# KiCad board S100-Backplane.kicad_pcb (continued)
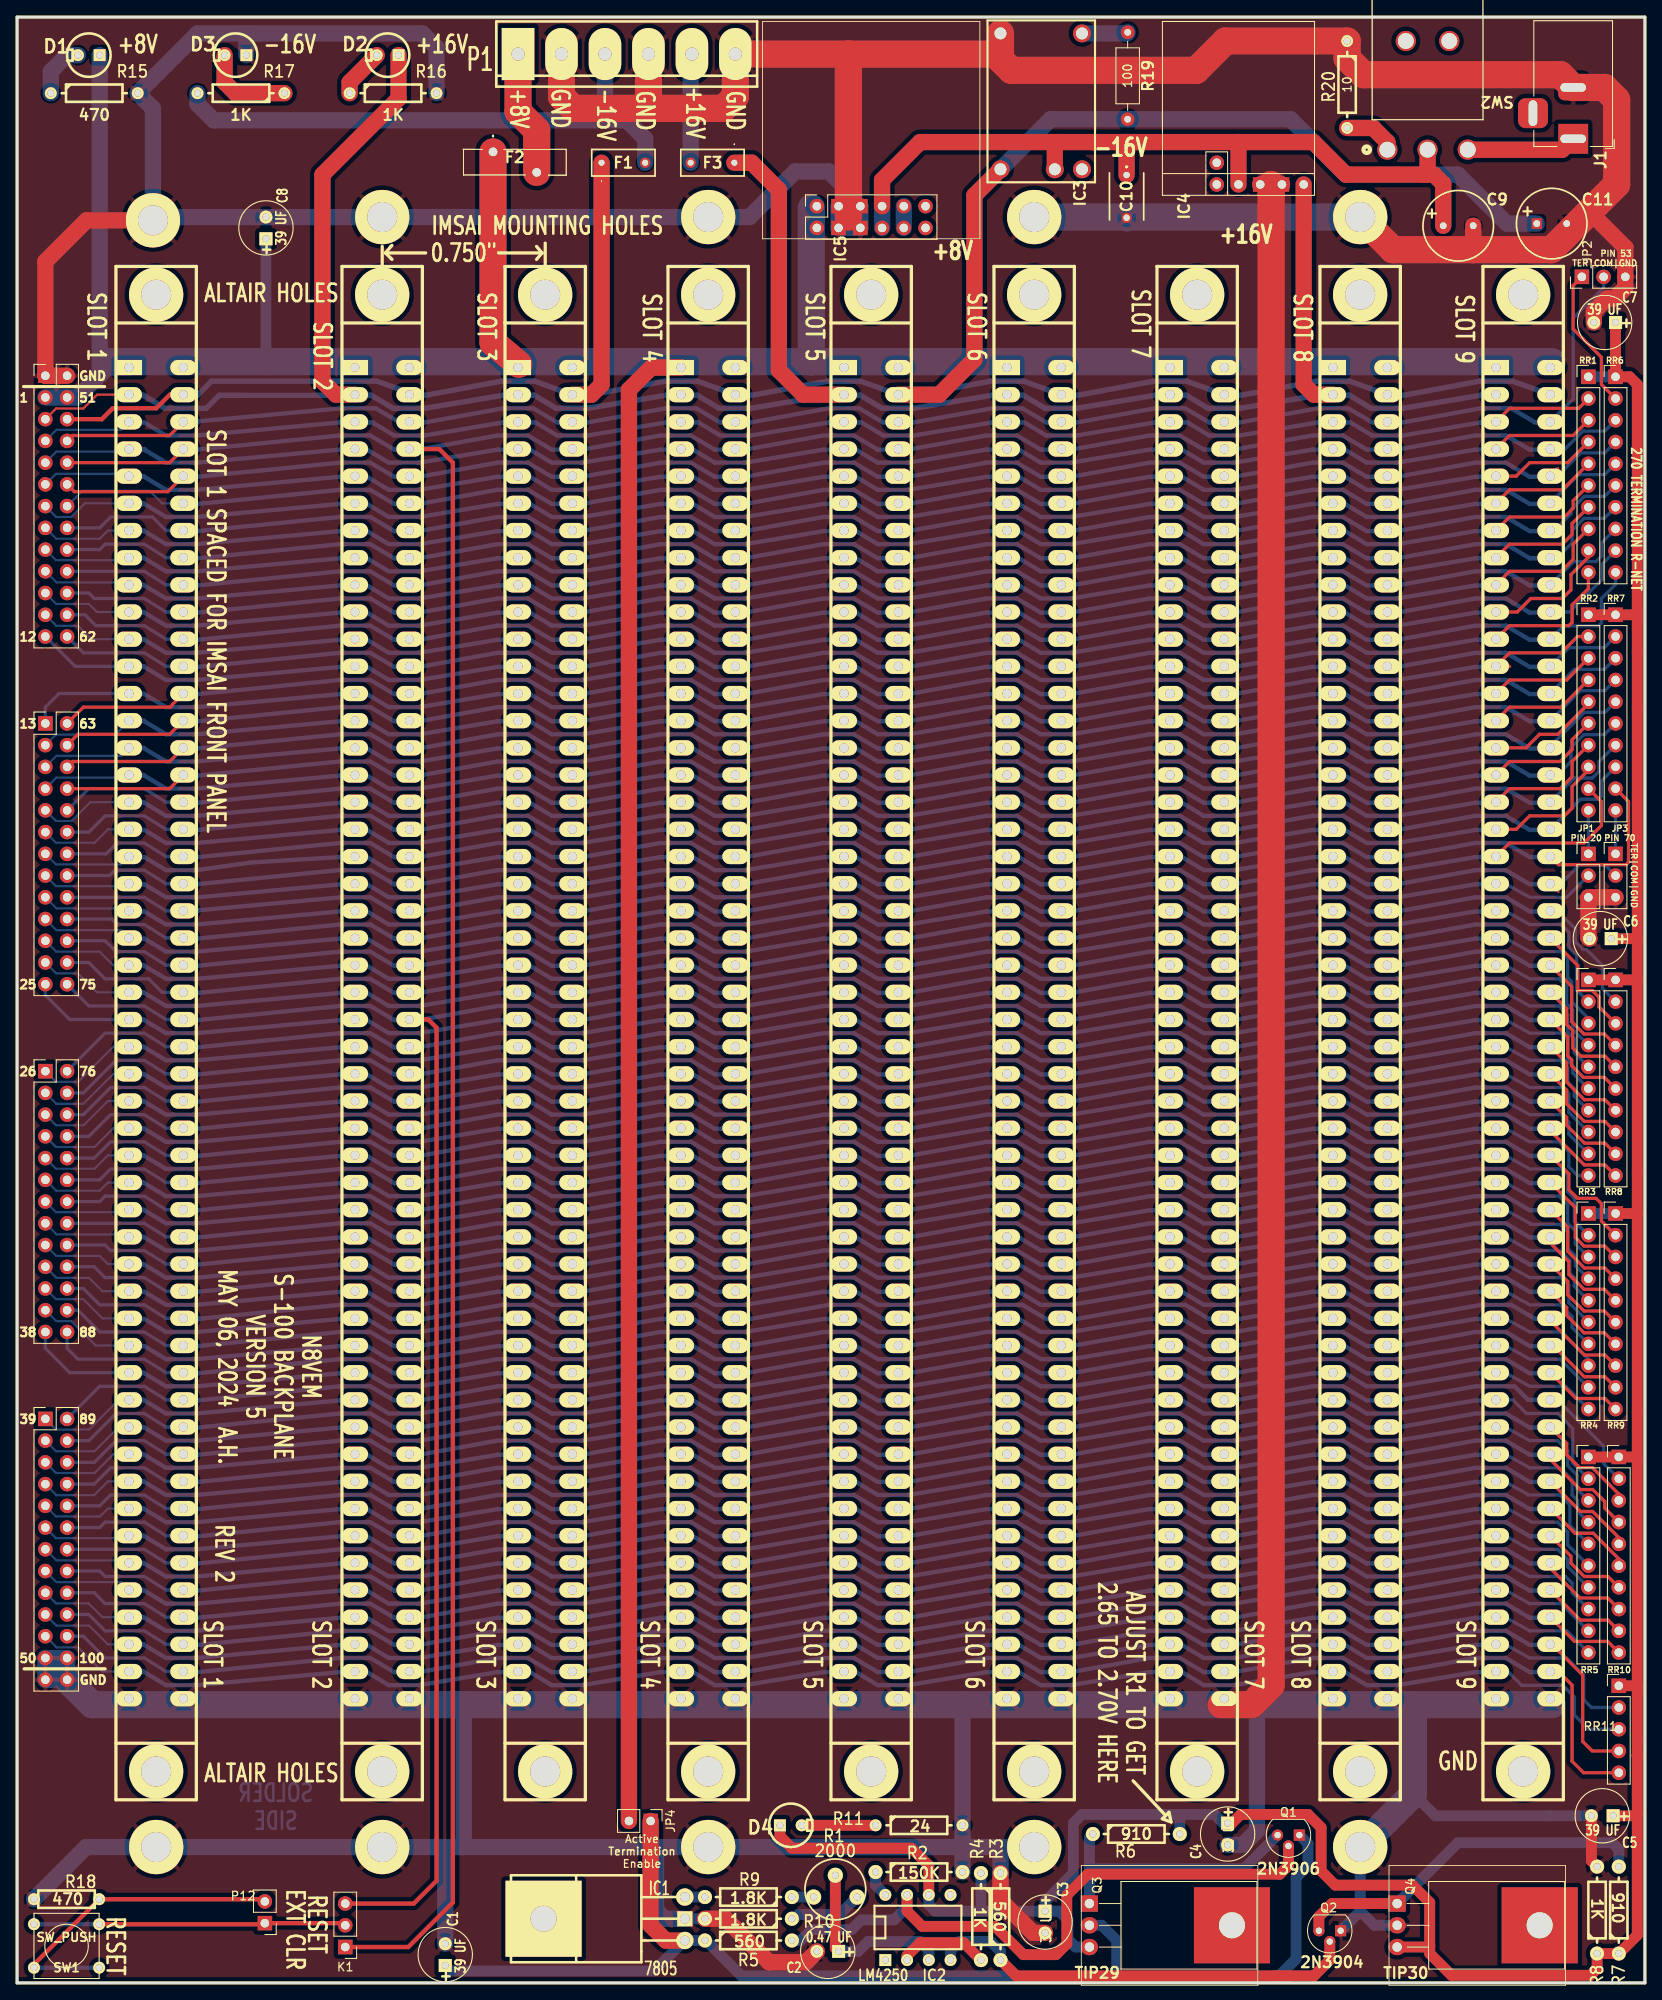
[diagram p0: board, top side]
## Routing (per net, layer and track width the routed paths; a pad name or vN(x,y) marks a point on that pad's centre or on a via; arc(x,y) is an arc through that point) (continued)
/pin_63: length 192.7
  Component w0.381: 179.96,150.75 179.2,150.75 U39.63 ; U31.63 18.14,149.41 18.14,149.33 17.91,149.1 7.75,149.1 P3.2
  Copper w0.381: RR7.3 185.52,153.51 182.01,153.51 U39.63
  Copper w0.508: 178.56,150.69 178.56,150.62 176.78,150.62 173.99,152.27 170.43,152.27 161.29,150.62 159.39,150.62 159.51,150.69 159.51,150.62 157.73,150.62 154.94,152.27 151.38,152.27 142.24,150.62 140.34,150.62 140.46,150.69 140.46,150.62 138.68,150.62 135.89,152.27 132.33,152.27 123.19,150.62 121.28,150.62 121.41,150.69 121.41,150.62 119.63,150.62 116.84,152.27 113.28,152.27 104.14,150.62 102.24,150.62 102.36,150.69 102.36,150.62 100.58,150.62 97.79,152.27 94.23,152.27 85.09,150.62 83.19,150.62 83.31,150.69 83.31,150.62 81.53,150.62 78.74,152.27 75.18,152.27 66.04,150.62 64.14,150.62 64.26,150.69 64.26,150.62 62.48,150.62 59.69,152.27 56.13,152.27 46.99,150.62 45.09,150.62 45.21,150.69 ; U32.63 45.85,150.62 44.07,150.62 41.28,152.27 37.72,152.27 21.08,150.62 19.05,150.62 19.17,150.69
/pin_64: length 192
  Component w0.381: 179.13,147.7 179.13,147.57 U39.64 ; U31.64 17.83,145.92 7.11,145.92 P3.4
  Copper w0.381: U39.64 182.71,151.03 185.58,151.03 RR7.4
  Copper w0.508: 178.56,147.52 178.56,147.45 176.78,147.45 173.99,149.1 170.43,149.1 161.29,147.45 159.39,147.45 159.51,147.52 159.51,147.45 157.73,147.45 154.94,149.1 151.38,149.1 142.24,147.45 140.34,147.45 140.46,147.52 140.46,147.45 138.68,147.45 135.89,149.1 132.33,149.1 123.19,147.45 121.28,147.45 121.41,147.52 121.41,147.45 119.63,147.45 116.84,149.1 113.28,149.1 104.14,147.45 102.24,147.45 102.36,147.52 102.36,147.45 100.58,147.45 97.79,149.1 94.23,149.1 85.09,147.45 83.19,147.45 83.31,147.52 83.31,147.45 81.53,147.45 78.74,149.1 75.18,149.1 66.04,147.45 64.14,147.45 64.26,147.52 64.26,147.45 62.48,147.45 59.69,149.1 56.13,149.1 46.99,147.45 45.09,147.45 45.21,147.52 ; U32.64 45.85,147.45 44.07,147.45 41.28,149.1 37.72,149.1 21.08,147.45 19.05,147.45 19.17,147.52
/pin_65: length 192
  Component w0.381: 179.13,144.34 U39.65 ; U31.65 17.83,142.75 6.48,142.75 P3.6
  Copper w0.381: U39.65 179.19,144.52 183.16,148.49 185.58,148.49 RR7.5
  Copper w0.508: 178.56,144.34 178.56,144.27 176.78,144.27 173.99,145.92 170.43,145.92 161.29,144.27 159.39,144.27 159.51,144.34 159.51,144.27 157.73,144.27 154.94,145.92 151.38,145.92 142.24,144.27 140.34,144.27 140.46,144.34 140.46,144.27 138.68,144.27 135.89,145.92 132.33,145.92 123.19,144.27 121.28,144.27 121.41,144.34 121.41,144.27 119.63,144.27 116.84,145.92 113.28,145.92 104.14,144.27 102.24,144.27 102.36,144.34 102.36,144.27 100.58,144.27 97.79,145.92 94.23,145.92 85.09,144.27 83.19,144.27 83.31,144.34 83.31,144.27 81.53,144.27 78.74,145.92 75.18,145.92 66.04,144.27 64.14,144.27 64.26,144.34 64.26,144.27 62.48,144.27 59.69,145.92 56.13,145.92 46.99,144.27 45.09,144.27 45.21,144.34 ; U32.65 45.85,144.27 44.07,144.27 41.28,145.92 37.72,145.92 21.08,144.27 19.05,144.27 19.17,144.34
/pin_66: length 192.8
  Component w0.381: P3.8 17.83,139.57 U31.66
  Component w0.508: 179.2,141.1 U39.66
  Copper w0.25: 159.39,141.1 159.51,141.17 159.51,141.1 ; 178.56,141.1 178.56,141.17 ; 140.34,141.1 140.46,141.17 140.46,141.1 ; 121.28,141.1 121.41,141.17 121.41,141.1 ; 102.24,141.1 102.36,141.17 102.36,141.1 ; 83.19,141.1 83.31,141.17 83.31,141.1 ; 64.14,141.1 64.26,141.17 64.26,141.1 ; 45.21,141.17 45.09,141.1 ; 45.85,141.1 U32.66 ; 19.17,141.17 19.05,141.1 21.08,141.1
  Copper w0.381: 161.29,141.1 159.39,141.1 ; RR7.6 185.52,145.89 183.13,145.89 181.61,144.38 181.61,142.75 180.03,141.17 U39.66
  Copper w0.508: 161.29,141.1 170.43,142.75 173.99,142.75 176.78,141.1 178.56,141.1 ; 159.51,141.1 157.73,141.1 154.94,142.75 151.38,142.75 142.24,141.1 140.34,141.1 ; 121.28,141.1 123.19,141.1 132.33,142.75 135.89,142.75 138.68,141.1 140.46,141.1 ; 121.41,141.1 119.63,141.1 116.84,142.75 113.28,142.75 104.14,141.1 102.24,141.1 ; 83.19,141.1 85.09,141.1 94.23,142.75 97.79,142.75 100.58,141.1 102.36,141.1 ; 83.31,141.1 81.53,141.1 78.74,142.75 75.18,142.75 66.04,141.1 64.14,141.1 ; 45.09,141.1 46.99,141.1 56.13,142.75 59.69,142.75 62.48,141.1 64.26,141.1 ; 45.85,141.1 44.07,141.1 41.28,142.75 37.72,142.75 21.08,141.1
/PINTE: length 191.2
  Copper w0.25: U31.28 10.61,103.07 7.78,100.23 4.54,100.23 P4.5
  Copper w0.381: 173.54,103.07 U39.28 173.93,103.06 176.78,101.47 180.47,101.47 181.36,100.58 181.36,99.19 RR3.9
  Copper w0.508: 153.16,103 155.19,103 157.73,101.47 161.29,101.47 170.43,103 172.21,103 172.21,103.07 ; 153.16,103 153.16,103.07 153.16,103 ; 153.16,103 151.38,103 142.24,101.47 138.68,101.47 136.14,103 134.11,103 ; 134.11,103 134.11,103.07 134.11,103 ; 134.11,103 132.33,103 123.19,101.47 119.63,101.47 117.09,103 115.06,103 ; 115.06,103 115.06,103.07 115.06,103 ; 115.06,103 113.28,103 104.14,101.47 100.58,101.47 98.04,103 96.01,103 ; 96.01,103 96.01,103.07 96.01,103 ; 96.01,103 94.23,103 85.09,101.47 81.53,101.47 78.99,103 76.96,103 ; 76.96,103 76.96,103.07 76.96,103 ; 76.96,103 75.18,103 66.04,101.47 62.48,101.47 59.94,103 57.91,103 ; 57.91,103 57.91,103.07 57.91,103 ; 57.91,103 56.13,103 46.99,101.47 43.43,101.47 40.89,103 38.86,103 38.86,103.07 ; U32.28 39.5,103 37.72,103 20.96,101.47 17.4,101.47 14.86,103 14.79,103.07 U31.28
/PRDY: length 196.7
  Component w0.381: 179.19,121.48 U39.72 182.4,118.91 182.4,115.98 184.1,115.98 184.88,115.19 184.88,114.08 RR8.3
  Copper w0.381: 179.32,122.17 U39.72 ; 17.4,122.12 14.86,123.7 11.68,123.7 11.05,124.33 P3.20 ; 17.4,122.12 U31.72 ; 17.4,122.12 17.46,122.12
  Copper w0.508: 178.56,122.12 178.56,122.05 176.78,122.05 173.99,123.7 170.43,123.7 161.29,122.05 159.39,122.05 159.51,122.12 159.51,122.05 157.73,122.05 154.94,123.7 151.38,123.7 142.24,122.05 140.34,122.05 140.46,122.12 140.46,122.05 138.68,122.05 135.89,123.7 132.33,123.7 123.19,122.05 121.28,122.05 121.41,122.12 121.41,122.05 119.63,122.05 116.84,123.7 113.28,123.7 104.14,122.05 102.24,122.05 102.36,122.12 102.36,122.05 100.58,122.05 97.79,123.7 94.23,123.7 85.09,122.05 83.19,122.05 83.31,122.12 83.31,122.05 81.53,122.05 78.74,123.7 75.18,123.7 66.04,122.05 64.14,122.05 64.26,122.12 64.26,122.05 62.48,122.05 59.69,123.7 56.13,123.7 46.99,122.05 45.09,122.05 45.21,122.12 ; U32.72 45.85,122.05 44.07,122.05 41.28,123.7 37.72,123.7 21.08,122.05 19.05,122.05 19.17,122.12
/PROT(GND): length 5.1
  Copper w0.381: RR7.10 JP3.1
/PSYNC: length 196.8
  Component w0.381: U39.76 181.11,107.5 181.11,105.28 183.16,103.22 185.58,103.22 RR8.7
  Copper w0.381: 180.34,109.47 179.07,109.47 U39.76 ; 17.4,109.42 17.46,109.42 ; 17.4,109.42 U31.76 ; 17.4,109.42 14.86,111 10.29,111 P4.2
  Copper w0.508: 178.56,109.42 178.56,109.35 176.78,109.35 173.99,111 170.43,111 161.29,109.35 159.39,109.35 159.51,109.42 159.51,109.35 157.73,109.35 154.94,111 151.38,111 142.24,109.35 140.34,109.35 140.46,109.42 140.46,109.35 138.68,109.35 135.89,111 132.33,111 123.19,109.35 121.28,109.35 121.41,109.42 121.41,109.35 119.63,109.35 116.84,111 113.28,111 104.14,109.35 102.24,109.35 102.36,109.42 102.36,109.35 100.58,109.35 97.79,111 94.23,111 85.09,109.35 83.19,109.35 83.31,109.42 83.31,109.35 81.53,109.35 78.74,111 75.18,111 66.04,109.35 64.14,109.35 64.26,109.42 64.26,109.35 62.48,109.35 59.69,111 56.13,111 46.99,109.35 45.09,109.35 45.21,109.42 ; U32.76 45.85,109.35 44.07,109.35 41.28,111 37.72,111 21.08,109.35 19.05,109.35 19.17,109.42
/PWAIT: length 192.2
  Copper w0.25: U31.27 11.24,106.24 7.75,102.74 4.57,102.74 P4.3
  Copper w0.381: 173.54,106.24 U39.27 173.93,106.24 176.78,104.65 180.59,104.65 181.36,103.89 181.36,101.73 RR3.8
  Copper w0.508: 153.16,106.17 155.19,106.17 157.73,104.65 161.29,104.65 170.43,106.17 172.21,106.17 172.21,106.24 ; 153.16,106.17 153.16,106.24 153.16,106.17 ; 153.16,106.17 151.38,106.17 142.24,104.65 138.68,104.65 136.14,106.17 134.11,106.17 ; 134.11,106.17 134.11,106.24 134.11,106.17 ; 134.11,106.17 132.33,106.17 123.19,104.65 119.63,104.65 117.09,106.17 115.06,106.17 ; 115.06,106.17 115.06,106.24 115.06,106.17 ; 115.06,106.17 113.28,106.17 104.14,104.65 100.58,104.65 98.04,106.17 96.01,106.17 ; 96.01,106.17 96.01,106.24 96.01,106.17 ; 96.01,106.17 94.23,106.17 85.09,104.65 81.53,104.65 78.99,106.17 76.96,106.17 ; 76.96,106.17 76.96,106.24 76.96,106.17 ; 76.96,106.17 75.18,106.17 66.04,104.65 62.48,104.65 59.94,106.17 57.91,106.17 ; 57.91,106.17 57.91,106.24 57.91,106.17 ; 57.91,106.17 56.13,106.17 46.99,104.65 43.43,104.65 40.89,106.17 38.86,106.17 38.86,106.24 ; U32.27 39.5,106.17 37.72,106.17 20.96,104.65 17.4,104.65 14.86,106.17 14.79,106.24 U31.27
/RTC(---): length 193.8
  Component w0.25: U39.55 180.11,177.01
  Component w0.381: 179.96,176.91 179.2,176.15 U39.55 ; P2.12 6.69,174.28 17.62,174.28 U31.55
  Copper w0.381: U39.55 180.03,176.09 182.75,178.82 185.55,178.82 RR6.4
  Copper w0.508: 178.56,176.09 178.56,176.02 176.78,176.02 173.99,177.67 170.43,177.67 161.29,176.02 159.39,176.02 159.51,176.09 159.51,176.02 157.73,176.02 154.94,177.67 151.38,177.67 142.24,176.02 140.34,176.02 140.46,176.09 140.46,176.02 138.68,176.02 135.89,177.67 132.33,177.67 123.19,176.02 121.28,176.02 121.41,176.09 121.41,176.02 119.63,176.02 116.84,177.67 113.28,177.67 104.14,176.02 102.24,176.02 102.36,176.09 102.36,176.02 100.58,176.02 97.79,177.67 94.23,177.67 85.09,176.02 83.19,176.02 83.31,176.09 83.31,176.02 81.53,176.02 78.74,177.67 75.18,177.67 66.04,176.02 64.14,176.02 64.26,176.09 64.26,176.02 62.48,176.02 59.69,177.67 56.13,177.67 46.99,176.02 45.09,176.02 45.21,176.09 ; U32.55 45.85,176.02 44.07,176.02 41.28,177.67 37.72,177.67 21.08,176.02 19.05,176.02 19.17,176.09
/RUN: length 196.2
  Copper w0.381: 179.2,125.35 U39.71 180.02,125.29 182.12,123.19 182.12,121.67 183.01,120.78 183.41,120.78 185.29,118.89 185.29,116.21 RR8.2 ; 17.4,125.29 17.46,125.29 ; 17.4,125.29 U31.71 ; 17.4,125.29 14.86,126.87 P3.18
  Copper w0.508: 178.56,125.29 178.56,125.22 176.78,125.22 173.99,126.87 170.43,126.87 161.29,125.22 159.39,125.22 159.51,125.29 159.51,125.22 157.73,125.22 154.94,126.87 151.38,126.87 142.24,125.22 140.34,125.22 140.46,125.29 140.46,125.22 138.68,125.22 135.89,126.87 132.33,126.87 123.19,125.22 121.28,125.22 121.41,125.29 121.41,125.22 119.63,125.22 116.84,126.87 113.28,126.87 104.14,125.22 102.24,125.22 102.36,125.29 102.36,125.22 100.58,125.22 97.79,126.87 94.23,126.87 85.09,125.22 83.19,125.22 83.31,125.29 83.31,125.22 81.53,125.22 78.74,126.87 75.18,126.87 66.04,125.22 64.14,125.22 64.26,125.29 64.26,125.22 62.48,125.22 59.69,126.87 56.13,126.87 46.99,125.22 45.09,125.22 45.21,125.29 ; 37.72,126.87 41.28,126.87 44.07,125.22 45.85,125.22 U32.71 ; 19.17,125.29 19.05,125.22 21.08,125.22 ; 37.85,126.87 21.08,125.35
/SHLTA: length 196
  Copper w0.25: P5.19 4.6,41.75 8.41,41.75 10.6,39.57 U31.48
  Copper w0.381: 176.78,37.97 173.93,39.56 U39.48 173.54,39.57 ; 176.78,37.97 176.85,37.97 ; 176.78,37.97 181.1,37.97 183.08,35.99 183.08,33.12 184.02,32.18 RR11.2
  Copper w0.508: 172.21,39.57 172.21,39.5 170.43,39.5 161.29,37.97 157.73,37.97 155.19,39.5 153.16,39.5 ; 153.16,39.5 153.16,39.57 153.16,39.5 ; 153.16,39.5 151.38,39.5 142.24,37.97 138.68,37.97 136.14,39.5 134.11,39.5 ; 134.11,39.5 134.11,39.57 134.11,39.5 ; 134.11,39.5 132.33,39.5 123.19,37.97 119.63,37.97 117.09,39.5 115.06,39.5 ; 115.06,39.5 115.06,39.57 115.06,39.5 ; 115.06,39.5 113.28,39.5 104.14,37.97 100.58,37.97 98.04,39.5 96.01,39.5 ; 96.01,39.5 96.01,39.57 96.01,39.5 ; 96.01,39.5 94.23,39.5 85.09,37.97 81.53,37.97 78.99,39.5 76.96,39.5 ; 76.96,39.5 76.96,39.57 76.96,39.5 ; 76.96,39.5 75.18,39.5 66.04,37.97 62.48,37.97 59.94,39.5 57.91,39.5 ; 57.91,39.5 57.91,39.57 57.91,39.5 ; 57.91,39.5 56.13,39.5 46.99,37.97 43.43,37.97 40.89,39.5 38.86,39.5 38.86,39.57 ; U32.48 39.5,39.5 37.72,39.5 20.96,37.97 17.4,37.97 14.86,39.5 14.79,39.57 U31.48
/SINP: length 189.1
  Copper w0.25: P5.15 4.6,46.83 12.16,46.83 U31.46
  Copper w0.381: 176.78,44.32 173.93,45.91 U39.46 173.54,45.92 ; 176.78,44.32 176.85,44.32 ; 176.78,44.32 180.47,44.32 183.64,41.15
  Copper w0.508: 153.16,45.85 155.19,45.85 157.73,44.32 161.29,44.32 170.43,45.85 172.21,45.85 172.21,45.92 ; 153.16,45.85 153.16,45.92 153.16,45.85 ; 153.16,45.85 151.38,45.85 142.24,44.32 138.68,44.32 136.14,45.85 134.11,45.85 ; 134.11,45.85 134.11,45.92 134.11,45.85 ; 134.11,45.85 132.33,45.85 123.19,44.32 119.63,44.32 117.09,45.85 115.06,45.85 ; 115.06,45.85 115.06,45.92 115.06,45.85 ; 115.06,45.85 113.28,45.85 104.14,44.32 100.58,44.32 98.04,45.85 96.01,45.85 ; 96.01,45.85 96.01,45.92 96.01,45.85 ; 96.01,45.85 94.23,45.85 85.09,44.32 81.53,44.32 78.99,45.85 76.96,45.85 ; 76.96,45.85 76.96,45.92 76.96,45.85 ; 76.96,45.85 75.18,45.85 66.04,44.32 62.48,44.32 59.94,45.85 57.91,45.85 ; 57.91,45.85 57.91,45.92 57.91,45.85 ; 57.91,45.85 56.13,45.85 46.99,44.32 43.43,44.32 40.89,45.85 38.86,45.85 38.86,45.92 ; U32.46 39.5,45.85 37.72,45.85 20.96,44.32 17.4,44.32 14.86,45.85 14.79,45.92 U31.46
/SINTA: length 193.4
  Component w0.381: 187.2,41.15 185.96,42.39 182.72,42.39 U39.96
  Copper w0.381: 17.4,45.92 14.86,47.5 10.29,47.5 9.65,48.13 P5.16 ; 17.4,45.92 U31.96 ; 17.4,45.92 17.46,45.92 ; U39.96 180.79,45.92
  Copper w0.508: 178.56,45.92 178.56,45.85 176.78,45.85 173.99,47.5 170.43,47.5 161.29,45.85 159.39,45.85 159.51,45.92 159.51,45.85 157.73,45.85 154.94,47.5 151.38,47.5 142.24,45.85 140.34,45.85 140.46,45.92 140.46,45.85 138.68,45.85 135.89,47.5 132.33,47.5 123.19,45.85 121.28,45.85 121.41,45.92 121.41,45.85 119.63,45.85 116.84,47.5 113.28,47.5 104.14,45.85 102.24,45.85 102.36,45.92 102.36,45.85 100.58,45.85 97.79,47.5 94.23,47.5 85.09,45.85 83.19,45.85 83.31,45.92 83.31,45.85 81.53,45.85 78.74,47.5 75.18,47.5 66.04,45.85 64.14,45.85 64.26,45.92 64.26,45.85 62.48,45.85 59.69,47.5 56.13,47.5 46.99,45.85 45.09,45.85 45.21,45.92 ; U32.96 45.85,45.85 44.07,45.85 41.28,47.5 37.72,47.5 21.08,45.85 19.05,45.85 19.17,45.92
/SM1: length 189.8
  Copper w0.25: P5.11 4.54,51.97 12.78,51.97 U31.44
  Copper w0.381: 173.54,52.27 U39.44 173.93,52.26 176.78,50.67 180.05,50.67 181.23,49.5 181.23,48.64 RR5.7
  Copper w0.508: 153.16,52.2 155.19,52.2 157.73,50.67 161.29,50.67 170.43,52.2 172.21,52.2 172.21,52.27 ; 153.16,52.2 153.16,52.27 153.16,52.2 ; 153.16,52.2 151.38,52.2 142.24,50.67 138.68,50.67 136.14,52.2 134.11,52.2 ; 134.11,52.2 134.11,52.27 134.11,52.2 ; 134.11,52.2 132.33,52.2 123.19,50.67 119.63,50.67 117.09,52.2 115.06,52.2 ; 115.06,52.2 115.06,52.27 115.06,52.2 ; 115.06,52.2 113.28,52.2 104.14,50.67 100.58,50.67 98.04,52.2 96.01,52.2 ; 96.01,52.2 96.01,52.27 96.01,52.2 ; 96.01,52.2 94.23,52.2 85.09,50.67 81.53,50.67 78.99,52.2 76.96,52.2 ; 76.96,52.2 76.96,52.27 76.96,52.2 ; 76.96,52.2 75.18,52.2 66.04,50.67 62.48,50.67 59.94,52.2 57.91,52.2 ; 57.91,52.2 57.91,52.27 57.91,52.2 ; 57.91,52.2 56.13,52.2 46.99,50.67 43.43,50.67 40.89,52.2 38.86,52.2 38.86,52.27 ; U32.44 39.5,52.2 37.72,52.2 20.96,50.67 17.4,50.67 14.86,52.2 14.79,52.27 U31.44
/SMEMR: length 189.1
  Copper w0.25: P5.17 4.54,44.35 8.35,44.35 9.96,42.74 U31.47
  Copper w0.381: 176.78,41.15 173.93,42.74 U39.47 173.54,42.74 ; 176.78,41.15 176.85,41.15 ; 176.78,41.15 181.1,41.15 RR5.10
  Copper w0.508: 172.21,42.74 172.21,42.67 170.43,42.67 161.29,41.15 157.73,41.15 155.19,42.67 153.16,42.67 ; 153.16,42.67 153.16,42.74 153.16,42.67 ; 153.16,42.67 151.38,42.67 142.24,41.15 138.68,41.15 136.14,42.67 134.11,42.67 ; 134.11,42.67 134.11,42.74 134.11,42.67 ; 134.11,42.67 132.33,42.67 123.19,41.15 119.63,41.15 117.09,42.67 115.06,42.67 ; 115.06,42.67 115.06,42.74 115.06,42.67 ; 115.06,42.67 113.28,42.67 104.14,41.15 100.58,41.15 98.04,42.67 96.01,42.67 ; 96.01,42.67 96.01,42.74 96.01,42.67 ; 96.01,42.67 94.23,42.67 85.09,41.15 81.53,41.15 78.99,42.67 76.96,42.67 ; 76.96,42.67 76.96,42.74 76.96,42.67 ; 76.96,42.67 75.18,42.67 66.04,41.15 62.48,41.15 59.94,42.67 57.91,42.67 ; 57.91,42.67 57.91,42.74 57.91,42.67 ; 57.91,42.67 56.13,42.67 46.99,41.15 43.43,41.15 40.89,42.67 38.86,42.67 38.86,42.74 ; U32.47 39.5,42.67 37.72,42.67 20.96,41.15 17.4,41.15 14.86,42.67 14.79,42.74 U31.47
/SOUT: length 189.8
  Copper w0.25: U31.45 12.79,49.37 4.6,49.37 P5.13
  Copper w0.381: 173.54,49.09 U39.45 173.93,49.09 176.78,47.5 ; 176.78,47.5 176.85,47.5 ; 176.78,47.5 180.97,47.5 181.74,46.74 181.74,45.59 RR5.8
  Copper w0.508: 172.21,49.09 172.21,49.02 170.43,49.02 161.29,47.5 157.73,47.5 155.19,49.02 153.16,49.02 ; 153.16,49.02 153.16,49.09 153.16,49.02 ; 153.16,49.02 151.38,49.02 142.24,47.5 138.68,47.5 136.14,49.02 134.11,49.02 ; 134.11,49.02 134.11,49.09 134.11,49.02 ; 134.11,49.02 132.33,49.02 123.19,47.5 119.63,47.5 117.09,49.02 115.06,49.02 ; 115.06,49.02 115.06,49.09 115.06,49.02 ; 115.06,49.02 113.28,49.02 104.14,47.5 100.58,47.5 98.04,49.02 96.01,49.02 ; 96.01,49.02 96.01,49.09 96.01,49.02 ; 96.01,49.02 94.23,49.02 85.09,47.5 81.53,47.5 78.99,49.02 76.96,49.02 ; 76.96,49.02 76.96,49.09 76.96,49.02 ; 76.96,49.02 75.18,49.02 66.04,47.5 62.48,47.5 59.94,49.02 57.91,49.02 ; 57.91,49.02 57.91,49.09 57.91,49.02 ; 57.91,49.02 56.13,49.02 46.99,47.5 43.43,47.5 40.89,49.02 38.86,49.02 38.86,49.09 ; U32.45 39.5,49.02 37.72,49.02 20.96,47.5 17.4,47.5 14.86,49.02 14.79,49.09 U31.45
/SS: length 194.9
  Copper w0.25: U31.21 12.79,125.57 4.6,125.57 P3.17
  Copper w0.381: 176.78,123.7 173.93,125.29 U39.21 173.54,125.29 ; 176.78,123.7 176.85,123.7 ; 176.78,123.7 180.47,123.7 181.36,122.81 181.36,121.03 182.27,120.12 182.27,116.05 RR3.2
  Copper w0.508: 153.16,125.22 155.19,125.22 157.73,123.7 161.29,123.7 170.43,125.22 172.21,125.22 172.21,125.29 ; 153.16,125.22 153.16,125.29 153.16,125.22 ; 153.16,125.22 151.38,125.22 142.24,123.7 138.68,123.7 136.14,125.22 134.11,125.22 ; 134.11,125.22 134.11,125.29 134.11,125.22 ; 134.11,125.22 132.33,125.22 123.19,123.7 119.63,123.7 117.09,125.22 115.06,125.22 ; 115.06,125.22 115.06,125.29 115.06,125.22 ; 115.06,125.22 113.28,125.22 104.14,123.7 100.58,123.7 98.04,125.22 96.01,125.22 ; 96.01,125.22 96.01,125.29 96.01,125.22 ; 96.01,125.22 94.23,125.22 85.09,123.7 81.53,123.7 78.99,125.22 76.96,125.22 ; 76.96,125.22 76.96,125.29 76.96,125.22 ; 76.96,125.22 75.18,125.22 66.04,123.7 62.48,123.7 59.94,125.22 57.91,125.22 ; 57.91,125.22 57.91,125.29 57.91,125.22 ; 57.91,125.22 56.13,125.22 46.99,123.7 43.43,123.7 40.89,125.22 38.86,125.22 38.86,125.29 ; U32.21 39.5,125.22 37.72,125.22 20.96,123.7 17.4,123.7 14.86,125.22 12.83,125.22
/SSTACK: length 201.6
  Component w0.381: RR11.4 184.1,27.1 182.98,28.22 182.98,35.97 179.38,39.57 U39.98 180.14,39.57
  Copper w0.381: 17.4,39.57 17.46,39.57 ; 17.4,39.57 U31.98 ; 17.4,39.57 14.86,41.15 10.29,41.15 8.38,43.05 P5.20 ; 179.77,39.57 U39.98
  Copper w0.508: 178.56,39.57 178.56,39.5 176.78,39.5 173.99,41.15 170.43,41.15 161.29,39.5 159.39,39.5 159.51,39.57 159.51,39.5 157.73,39.5 154.94,41.15 151.38,41.15 142.24,39.5 140.34,39.5 140.46,39.57 140.46,39.5 138.68,39.5 135.89,41.15 132.33,41.15 123.19,39.5 121.28,39.5 121.41,39.57 121.41,39.5 119.63,39.5 116.84,41.15 113.28,41.15 104.14,39.5 102.24,39.5 102.36,39.57 102.36,39.5 100.58,39.5 97.79,41.15 94.23,41.15 85.09,39.5 83.19,39.5 83.31,39.57 83.31,39.5 81.53,39.5 78.74,41.15 75.18,41.15 66.04,39.5 64.14,39.5 64.26,39.57 64.26,39.5 62.48,39.5 59.69,41.15 56.13,41.15 46.99,39.5 45.09,39.5 45.21,39.57 ; U32.98 45.85,39.5 44.07,39.5 41.28,41.15 37.72,41.15 21.08,39.5 19.05,39.5 19.17,39.57
/UNPROT(T5): length 5.1
  Copper w0.381: RR2.10 JP1.1
/Vacc: length 378.6
  Component w1.016: 189.17,61.47 189.36,61.28 ; 189.36,121.79 189.35,121.79
  Component w1.27: 189.36,89.92 189.35,89.92 RR9.1 ; 189.36,89.92 189.36,34.59 ; 189.36,89.92 189.36,117.35 ; IC2.6 106.55,13.72 104.52,15.75 90.55,15.75 89.15,17.14 D4.1 ; 189.36,34.59 189.36,26.59 ; 189.36,34.59 189.23,34.72 RR11.1 ; RR3.1 RR8.1 189.23,117.22 189.36,117.35 ; 189.36,159.77 189.23,159.89 RR7.1 RR2.1 ; 189.36,159.77 189.36,186.82 188.47,187.71 RR6.1 186.82,194.06 ; 189.36,159.77 189.36,121.79 ; 189.36,26.59 189.33,26.57 ; 189.36,26.59 189.36,19.74 ; 165.1,4.32 165.1,9.4 163.07,11.43 154.05,11.43 152.4,13.08 152.4,18.16 150.88,19.69 143,19.69 141.99,18.67 C4.1 ; 165.1,4.32 165.1,3.43 167.64,0.89 183.9,0.89 184.66,1.65 R8.1 R7.1 189.36,5.59 189.36,19.74 ; 165.1,4.32 164.97,4.19 Q4.3 ; 189.36,117.35 189.36,121.79 ; 189.36,121.79 189.1,122.05 C6.1 ; RR5.1 RR10.1 189.17,61.47 ; 189.36,19.74 189.15,19.53 C5.1
  Copper w1.27: R4.1 112.65,8.51 112.78,8.38 ; C3.1 120.14,9.52 123.44,12.83 123.44,18.67 124.46,19.69 135.89,19.69 ; C3.1 112.78,8.38 ; C3.1 121.79,8.38 122.81,7.37 122.81,5.08 123.7,4.19 Q3.3 ; R6.2 135.89,19.69 ; 135.89,19.69 139.95,19.69 140.97,18.67 C4.1 ; 112.78,8.38 107.31,8.38 106.55,9.14 IC2.6 ; RR6.1 RR1.1 ; RR9.1 RR4.1
/VI_0: length 190.1
  Component w0.381: RR1.3 181.86,180.85 174.42,180.85 U39.4
  Copper w0.25: U31.4 12.78,178.97 4.6,178.97 P2.9
  Copper w0.508: 153.16,179.2 155.19,179.2 157.73,177.67 161.29,177.67 170.43,179.2 172.21,179.2 172.21,179.27 ; 153.16,179.2 153.16,179.27 153.16,179.2 ; 153.16,179.2 151.38,179.2 142.24,177.67 138.68,177.67 136.14,179.2 134.11,179.2 ; 134.11,179.2 134.11,179.27 134.11,179.2 ; 134.11,179.2 132.33,179.2 123.19,177.67 119.63,177.67 117.09,179.2 115.06,179.2 ; 115.06,179.2 115.06,179.27 115.06,179.2 ; 115.06,179.2 113.28,179.2 104.14,177.67 100.58,177.67 98.04,179.2 96.01,179.2 ; 96.01,179.2 96.01,179.27 96.01,179.2 ; 96.01,179.2 94.23,179.2 85.09,177.67 81.53,177.67 78.99,179.2 76.96,179.2 ; 76.96,179.2 76.96,179.27 76.96,179.2 ; 76.96,179.2 75.18,179.2 66.04,177.67 62.48,177.67 59.94,179.2 57.91,179.2 ; 57.91,179.2 57.91,179.27 57.91,179.2 ; 57.91,179.2 56.13,179.2 46.99,177.67 43.43,177.67 40.89,179.2 38.86,179.2 38.86,179.27 ; U32.4 39.5,179.2 37.72,179.2 20.96,177.67 17.4,177.67 15.1,179.05 ; 12.83,179.2 14.86,179.2 15.1,179.05 ; 15.1,179.05 14.89,179.27 U31.4
/VI_1: length 191.8
  Component w0.381: U39.5 175.2,176.09 176.78,177.67 181.23,177.67 RR1.4
  Copper w0.25: U31.5 12.79,176.37 4.54,176.37 P2.11
  Copper w0.381: 173.93,176.09 U39.5 173.54,176.09
  Copper w0.508: 172.21,176.09 172.21,176.02 170.43,176.02 161.29,174.5 157.73,174.5 155.19,176.02 153.16,176.02 ; 153.16,176.02 153.16,176.09 153.16,176.02 ; 153.16,176.02 151.38,176.02 142.24,174.5 138.68,174.5 136.14,176.02 134.11,176.02 ; 134.11,176.02 134.11,176.09 134.11,176.02 ; 134.11,176.02 132.33,176.02 123.19,174.5 119.63,174.5 117.09,176.02 115.06,176.02 ; 115.06,176.02 115.06,176.09 115.06,176.02 ; 115.06,176.02 113.28,176.02 104.14,174.5 100.58,174.5 98.04,176.02 96.01,176.02 ; 96.01,176.02 96.01,176.09 96.01,176.02 ; 96.01,176.02 94.23,176.02 85.09,174.5 81.53,174.5 78.99,176.02 76.96,176.02 ; 76.96,176.02 76.96,176.09 76.96,176.02 ; 76.96,176.02 75.18,176.02 66.04,174.5 62.48,174.5 59.94,176.02 57.91,176.02 ; 57.91,176.02 57.91,176.09 57.91,176.02 ; 57.91,176.02 56.13,176.02 46.99,174.5 43.43,174.5 40.89,176.02 38.86,176.02 38.86,176.09 ; U32.5 39.5,176.02 37.72,176.02 20.96,174.5 17.4,174.5 14.86,176.02 ; 14.86,176.02 12.83,176.02 ; 14.86,176.02 14.79,176.09 U31.5
/VI_2: length 190.9
  Component w0.381: U39.6 174.42,174.5 180.59,174.5 RR1.5
  Copper w0.25: U31.6 7.92,172.92 6.33,171.32 4.57,171.32 P2.13
  Copper w0.508: 172.21,172.92 172.21,172.85 170.43,172.85 161.29,171.32 157.73,171.32 155.19,172.85 153.16,172.85 ; 153.16,172.85 153.16,172.92 153.16,172.85 ; 153.16,172.85 151.38,172.85 142.24,171.32 138.68,171.32 136.14,172.85 134.11,172.85 ; 134.11,172.85 134.11,172.92 134.11,172.85 ; 134.11,172.85 132.33,172.85 123.19,171.32 119.63,171.32 117.09,172.85 115.06,172.85 ; 115.06,172.85 115.06,172.92 115.06,172.85 ; 115.06,172.85 113.28,172.85 104.14,171.32 100.58,171.32 98.04,172.85 96.01,172.85 ; 96.01,172.85 96.01,172.92 96.01,172.85 ; 96.01,172.85 94.23,172.85 85.09,171.32 81.53,171.32 78.99,172.85 76.96,172.85 ; 76.96,172.85 76.96,172.92 76.96,172.85 ; 76.96,172.85 75.18,172.85 66.04,171.32 62.48,171.32 59.94,172.85 57.91,172.85 ; 57.91,172.85 57.91,172.92 57.91,172.85 ; 57.91,172.85 56.13,172.85 46.99,171.32 43.43,171.32 40.89,172.85 38.86,172.85 38.86,172.92 ; U32.6 39.5,172.85 37.72,172.85 20.96,171.32 17.4,171.32 14.86,172.85 ; 14.86,172.85 12.83,172.85 ; 14.86,172.85 14.79,172.92 U31.6
/VI_3: length 189.4
  Component w0.381: RR1.6 181.86,173.23 181.86,172.34 180.85,171.32 174.42,171.32 U39.7
  Copper w0.25: U31.7 10.61,169.74 9.65,168.78 4.57,168.78 P2.15
  Copper w0.508: 153.16,169.67 155.19,169.67 157.73,168.15 161.29,168.15 170.43,169.67 172.21,169.67 172.21,169.74 ; 153.16,169.67 153.16,169.74 153.16,169.67 ; 153.16,169.67 151.38,169.67 142.24,168.15 138.68,168.15 136.14,169.67 134.11,169.67 ; 134.11,169.67 134.11,169.74 134.11,169.67 ; 134.11,169.67 132.33,169.67 123.19,168.15 119.63,168.15 117.09,169.67 115.06,169.67 ; 115.06,169.67 115.06,169.74 115.06,169.67 ; 115.06,169.67 113.28,169.67 104.14,168.15 100.58,168.15 98.04,169.67 96.01,169.67 ; 96.01,169.67 96.01,169.74 96.01,169.67 ; 96.01,169.67 94.23,169.67 85.09,168.15 81.53,168.15 78.99,169.67 76.96,169.67 ; 76.96,169.67 76.96,169.74 76.96,169.67 ; 76.96,169.67 75.18,169.67 66.04,168.15 62.48,168.15 59.94,169.67 57.91,169.67 ; 57.91,169.67 57.91,169.74 57.91,169.67 ; 57.91,169.67 56.13,169.67 46.99,168.15 43.43,168.15 40.89,169.67 38.86,169.67 38.86,169.74 ; U32.7 39.5,169.67 37.72,169.67 20.96,168.15 17.4,168.15 14.86,169.67 14.79,169.74 U31.7
/VI_4: length 189.6
  Component w0.381: RR1.7 181.74,170.56 181.74,169.29 180.59,168.15 174.42,168.15 U39.8
  Copper w0.25: U31.8 12.78,166.27 4.54,166.27 P2.17
  Copper w0.508: 172.21,166.57 172.21,166.5 170.43,166.5 161.29,164.97 157.73,164.97 155.19,166.5 153.16,166.5 ; 153.16,166.5 153.16,166.57 153.16,166.5 ; 153.16,166.5 151.38,166.5 142.24,164.97 138.68,164.97 136.14,166.5 134.11,166.5 ; 134.11,166.5 134.11,166.57 134.11,166.5 ; 134.11,166.5 132.33,166.5 123.19,164.97 119.63,164.97 117.09,166.5 115.06,166.5 ; 115.06,166.5 115.06,166.57 115.06,166.5 ; 115.06,166.5 113.28,166.5 104.14,164.97 100.58,164.97 98.04,166.5 96.01,166.5 ; 96.01,166.5 96.01,166.57 96.01,166.5 ; 96.01,166.5 94.23,166.5 85.09,164.97 81.53,164.97 78.99,166.5 76.96,166.5 ; 76.96,166.5 76.96,166.57 76.96,166.5 ; 76.96,166.5 75.18,166.5 66.04,164.97 62.48,164.97 59.94,166.5 57.91,166.5 ; 57.91,166.5 57.91,166.57 57.91,166.5 ; 57.91,166.5 56.13,166.5 46.99,164.97 43.43,164.97 40.89,166.5 38.86,166.5 38.86,166.57 ; U32.8 39.5,166.5 37.72,166.5 20.96,164.97 17.4,164.97 14.86,166.5 14.79,166.57 U31.8
/VI_5: length 191.9
  Component w0.381: U39.9 174.42,164.97 180.47,164.97 181.86,166.37 181.86,168.15 RR1.8
  Copper w0.25: P2.19 4.6,163.67 12.79,163.67 U31.9
  Copper w0.381: 173.54,163.39 U39.9 173.93,163.39
  Copper w0.508: 153.16,163.32 155.19,163.32 157.73,161.8 161.29,161.8 170.43,163.32 172.21,163.32 172.21,163.39 ; 153.16,163.32 153.16,163.39 153.16,163.32 ; 153.16,163.32 151.38,163.32 142.24,161.8 138.68,161.8 136.14,163.32 134.11,163.32 ; 134.11,163.32 134.11,163.39 134.11,163.32 ; 134.11,163.32 132.33,163.32 123.19,161.8 119.63,161.8 117.09,163.32 115.06,163.32 ; 115.06,163.32 115.06,163.39 115.06,163.32 ; 115.06,163.32 113.28,163.32 104.14,161.8 100.58,161.8 98.04,163.32 96.01,163.32 ; 96.01,163.32 96.01,163.39 96.01,163.32 ; 96.01,163.32 94.23,163.32 85.09,161.8 81.53,161.8 78.99,163.32 76.96,163.32 ; 76.96,163.32 76.96,163.39 76.96,163.32 ; 76.96,163.32 75.18,163.32 66.04,161.8 62.48,161.8 59.94,163.32 57.91,163.32 ; 57.91,163.32 57.91,163.39 57.91,163.32 ; 57.91,163.32 56.13,163.32 46.99,161.8 43.43,161.8 40.89,163.32 38.86,163.32 38.86,163.39 ; U32.9 39.5,163.32 37.72,163.32 20.96,161.8 17.4,161.8 14.86,163.32 14.79,163.39 U31.9
/VI_6: length 192.9
  Component w0.381: U39.10 175.33,160.22 176.91,161.8 180.59,161.8 181.61,162.81 181.61,164.59 183.64,166.62 RR1.9
  Copper w0.25: U31.10 9.33,160.22 8.38,161.16 4.57,161.16 P2.21
  Copper w0.381: 173.54,160.22 U39.10 173.93,160.21
  Copper w0.508: 153.16,160.15 155.19,160.15 157.73,158.62 161.29,158.62 170.43,160.15 172.21,160.15 172.21,160.22 ; 153.16,160.15 153.16,160.22 153.16,160.15 ; 153.16,160.15 151.38,160.15 142.24,158.62 138.68,158.62 136.14,160.15 134.11,160.15 ; 134.11,160.15 134.11,160.22 134.11,160.15 ; 134.11,160.15 132.33,160.15 123.19,158.62 119.63,158.62 117.09,160.15 115.06,160.15 ; 115.06,160.15 115.06,160.22 115.06,160.15 ; 115.06,160.15 113.28,160.15 104.14,158.62 100.58,158.62 98.04,160.15 96.01,160.15 ; 96.01,160.15 96.01,160.22 96.01,160.15 ; 96.01,160.15 94.23,160.15 85.09,158.62 81.53,158.62 78.99,160.15 76.96,160.15 ; 76.96,160.15 76.96,160.22 76.96,160.15 ; 76.96,160.15 75.18,160.15 66.04,158.62 62.48,158.62 59.94,160.15 57.91,160.15 ; 57.91,160.15 57.91,160.22 57.91,160.15 ; 57.91,160.15 56.13,160.15 46.99,158.62 43.43,158.62 40.89,160.15 38.86,160.15 38.86,160.22 ; U32.10 39.5,160.15 37.72,160.15 20.96,158.62 17.4,158.62 14.86,160.15 14.79,160.22 U31.10
/VI_7: length 194.2
  Component w0.381: U39.11 174.42,158.62 181.36,158.62 181.74,159 181.74,161.04 183.64,162.94 RR1.10
  Copper w0.25: U31.11 8.69,157.04 7.14,158.59 4.6,158.59 P2.23
  Copper w0.381: 173.93,157.04 U39.11 173.54,157.04
  Copper w0.508: 172.21,157.04 172.21,156.97 170.43,156.97 161.29,155.45 157.73,155.45 155.19,156.97 153.16,156.97 ; 153.16,156.97 153.16,157.04 153.16,156.97 ; 153.16,156.97 151.38,156.97 142.24,155.45 138.68,155.45 136.14,156.97 134.11,156.97 ; 134.11,156.97 134.11,157.04 134.11,156.97 ; 134.11,156.97 132.33,156.97 123.19,155.45 119.63,155.45 117.09,156.97 115.06,156.97 ; 115.06,156.97 115.06,157.04 115.06,156.97 ; 115.06,156.97 113.28,156.97 104.14,155.45 100.58,155.45 98.04,156.97 96.01,156.97 ; 96.01,156.97 96.01,157.04 96.01,156.97 ; 96.01,156.97 94.23,156.97 85.09,155.45 81.53,155.45 78.99,156.97 76.96,156.97 ; 76.96,156.97 76.96,157.04 76.96,156.97 ; 76.96,156.97 75.18,156.97 66.04,155.45 62.48,155.45 59.94,156.97 57.91,156.97 ; 57.91,156.97 57.91,157.04 57.91,156.97 ; 57.91,156.97 56.13,156.97 46.99,155.45 43.43,155.45 40.89,156.97 38.86,156.97 38.86,157.04 ; U32.11 39.5,156.97 37.72,156.97 20.96,155.45 17.4,155.45 14.86,156.97 14.79,157.04 U31.11
/XRDY: length 189.8
  Component w0.381: RR1.2 182.5,184.02 174.42,184.02 U39.3
  Copper w0.25: U31.3 12.15,181.51 4.6,181.51 P2.7
  Copper w0.508: 153.8,182.37 155.83,182.37 158.37,180.85 161.92,180.85 171.07,182.37 172.85,182.37 U39.3 ; 153.8,182.37 U38.3 153.8,182.37 ; 153.8,182.37 152.02,182.37 142.88,180.85 139.32,180.85 136.78,182.37 134.75,182.37 ; 134.75,182.37 U37.3 134.75,182.37 ; 134.75,182.37 132.97,182.37 123.83,180.85 120.27,180.85 117.73,182.37 115.7,182.37 ; 115.7,182.37 U36.3 115.7,182.37 ; 115.7,182.37 113.92,182.37 104.78,180.85 101.22,180.85 98.68,182.37 96.65,182.37 ; 96.65,182.37 U35.3 96.65,182.37 ; 96.65,182.37 94.87,182.37 85.72,180.85 82.17,180.85 79.63,182.37 77.6,182.37 ; 77.6,182.37 U34.3 77.6,182.37 ; 77.6,182.37 75.82,182.37 66.68,180.85 63.12,180.85 60.58,182.37 58.55,182.37 ; 58.55,182.37 U33.3 58.55,182.37 ; 58.55,182.37 56.77,182.37 47.62,180.85 44.07,180.85 41.53,182.37 39.5,182.37 U32.3 37.72,182.37 20.96,180.85 17.4,180.85 14.86,182.37 12.83,182.37 ; 38.35,182.37 40.13,182.37 40.13,182.44
Net-(C2-Pad1): length 21.6
  Component w1.27: R1.2 95.63,4.06 C2.1
  Copper w1.27: IC2.3 106.55,3.81 105.54,4.83 99.44,4.83 98.3,3.68 C2.1
Net-(D1-K): length 6.5
  Copper w1.905: 3.94,220.85 3.94,223.39 5.84,225.3 D1.2
Net-(D2-K): length 5.8
  Component w1.905: D2.2 38.86,222.12 R16.1
Net-(D3-K): length 10.7
  Component w1.905: D3.2 24.26,222.12 25.53,220.85 R17.1
Net-(D4-K): length 8.6
  Component w1.27: D4.2 R11.1
Net-(IC2-FIN-Pad8): length 3.1
  Copper w1.27: IC2.8 100.33,11.43 R2.1
Net-(IC2-MINUS-Pad2): length 10.6
  Component w1.27: R4.2 110.62,4.7 105.54,4.7 104.01,3.18 IC2.2
Net-(IC2-MINUS-Pad4): length 51.1
  Component w1.27: Q2.2 153.42,2.67 151.57,0.83 116.78,0.83 R3.1
  Copper w1.27: IC2.4 109.09,3.81 110.11,4.83 113.79,4.83 114.94,3.68 R3.1
Net-(IC3-VO_ADJUST): length 5.4
  Copper w1.905: IC3.4 129.67,227.84 R19.1
Net-(IC5-Pin_10): length 2.5
  Copper w1.905: IC5.10 IC5.9
Net-(J1-Pad1): length 12.8
  Component w1.905: J1.1 180.59,214.25 SW2.3
Net-(K1-PM): length 36.7
  Component w0.508: 9.46,6.86 SW1.2 28.83,6.86 P12.1 38.11,6.98 K1.2
  Copper w0.508: SW1.2 SW1.2
Net-(P12-PM): length 38.3
  Component w0.508: P12.2 28.7,9.78 R18.1 1.97,2.16 SW1.1
  Copper w0.508: 9.46,9.78 R18.1 ; SW1.1 2.1,1.78
Net-(Q1-B): length 75
  Component w1.27: IC2.7 104.01,8.38 105.79,6.6 114.3,6.6 117.6,3.3 121.41,3.3 122.68,4.57 122.68,10.25 125.13,12.7 147.57,12.7 148.59,13.72 Q1.2
  Copper w1.27: IC2.7 104.01,8.89 102.49,7.37 98.68,7.37 97.54,6.22 92.84,6.22 91.57,4.95 R5.2
Net-(Q1-C): length 32
  Copper w1.27: 125.33,13.08 125.33,17 R6.1 ; 125.33,13.08 125.58,13.33 143.38,13.33 Q1.3 ; 125.33,13.08 Q3.1
Net-(Q4-B): length 42.6
  Component w1.27: Q4.1 153.67,9.27 152.15,7.75 Q2.3
  Copper w1.27: Q4.1 168.4,16.38 186.44,16.38 187.2,15.62 R7.2
Net-(R1-Pad1): length 2.5
  Copper w1.27: R9.1 R1.1
Net-(R1-Pad3): length 8.8
  Copper w1.27: R1.3 96.14,8 91.31,8 90.81,7.49 R10.1 90.68,7.49
Net-(R20-Pad2): length 6.3
  Component w1.905: R20.2 158.5,216.79 160.15,215.14 SW2.1

## Copper pours and planes (outline as drawn; the poured copper is in the pictures)
GND on Component, Copper: 0.22,229.67 190.22,229.67 190.22,0.67 0.22,0.67

## Text on the board
Copper: SOLDER / SIDE
F.Silkscreen: TER|COM|GND | JP1 / PIN 20 | RR3  RR8 | RR1  RR6 | RR2  RR7 | RR4  RR9 | PIN 53 / TER|COM|GND | RR5  RR10 | JP3 / PIN 70 | 270 TERMINATION R-NET | Active / Termination / Enable | 100 | 10 | 1 | 12 | 13 | 25 | 26 | 38 | 39 | 50 | GND | 51 | 62 | 63 | 75 | 76 | 88 | 89 | 470 | 1K | 1.8K | 560 | 150K | 24 | TIP29 | 910 | 2N3906 | 2N3904 | TIP30 | + | +8V | ALTAIR HOLES | -16V | +16V | 0.750" | IMSAI MOUNTING HOLES | SLOT 1 | RESET | SLOT 1 SPACED FOR IMSAI FRONT PANEL | REV 2 | N8VEM / S-100 BACKPLANE / VERSION 5 / MAY 06, 2024  A.H. | EXT CLR | SLOT 2 | SLOT 3 | SLOT 4 | SLOT 5 | SLOT 6 | ADJUST R1 TO GET / 2.65 TO 2.70V HERE | SLOT 7 | SLOT 8 | SLOT 9
